# Altium PCB pqm_v2.PcbDoc (part 2 of 3)
Units mm, origin at the board's own origin, x right, y up, seen from the top; angles counter-clockwise.
Board outline 137 x 84 mm, 2 copper layers (Top Layer, Bottom Layer); 276 components, 232 nets, 965 pads, 175 vias.
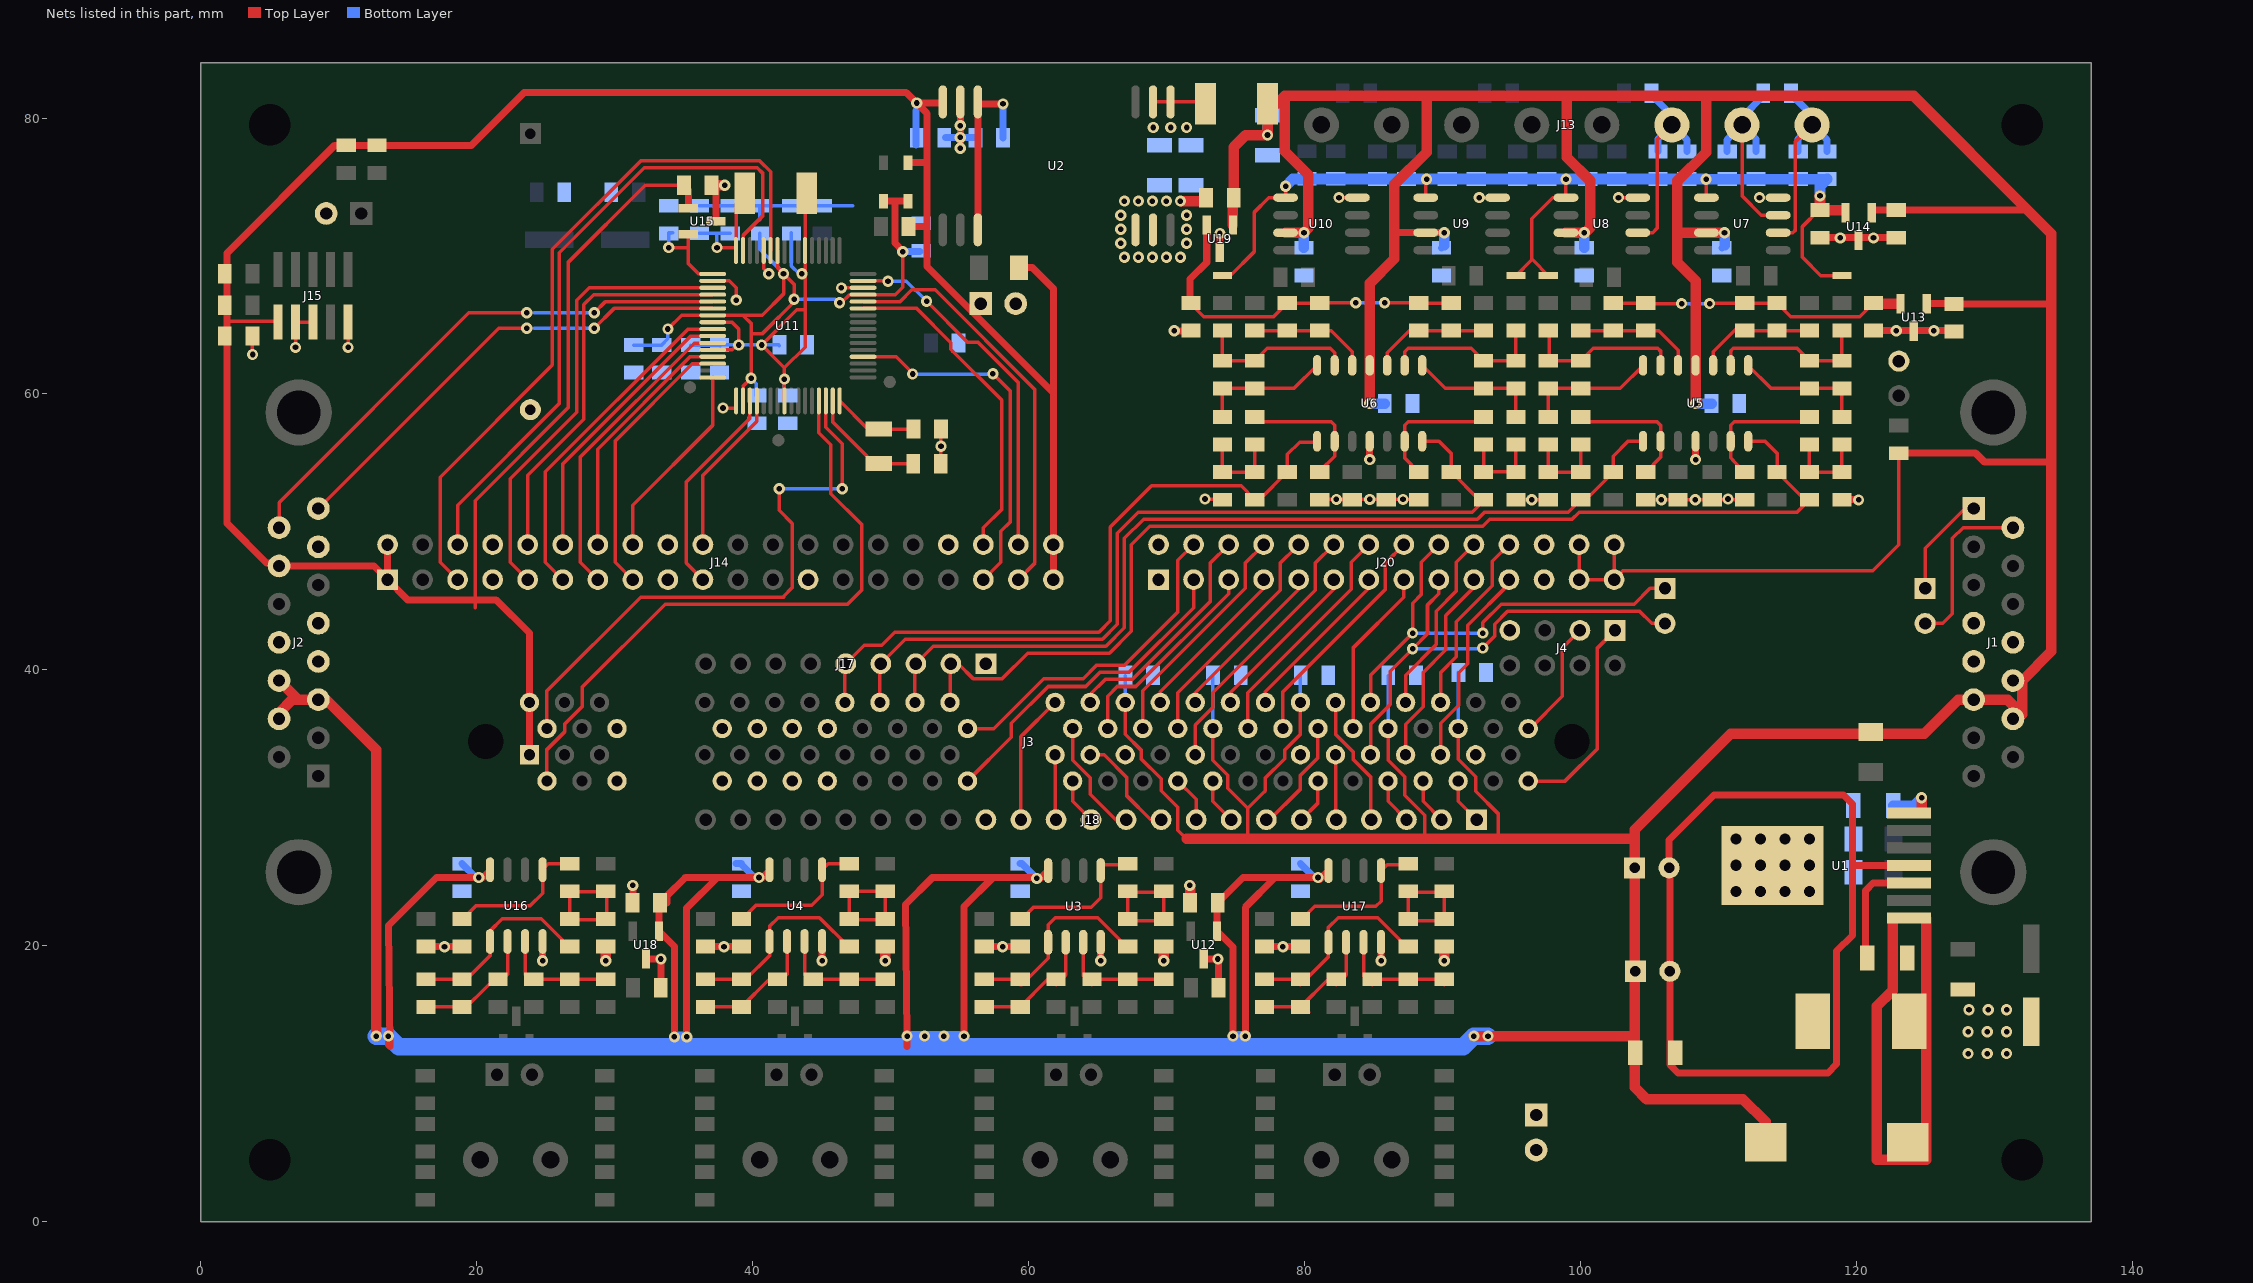
[diagram p2: the nets of this part, all layers, seen from the top]

## Via types
v1: diameter 0.813, hole 0.406, Top Layer to Bottom Layer, tented both sides, 163 vias
v2: diameter 1.397, hole 0.813, Top Layer to Bottom Layer, 12 vias

## Nets (pads, with @x,y where several pads share a name; then routed paths per layer and width w, separated by ;. In a path a pad name is that pad's centre, name@x,y a point inside that pad or via, vN(x,y) a via of type N, cw(c..) or ccw(c..) an arc to the next point about the centre after c; other vN are vias at no path point)
3.3V_ISO: C14.1 C66.1 C87.1 D2.2 J2.14 J3.1 J3.51 J14.1 J14.2 J14.39 J14.40 J15.1 J23.1 R60.2 R83.2 R84.2 R89.2 R90.2 R109.2 U2.14 U15.1 | length 211.5
  Top Layer w0.254: 1.905,65.341 1.967,65.28 5.523,65.28 J15.1@5.588,65.215 ; 19.875,44.514 19.875,45.085 19.875,52.261 26.607,58.991 26.607,69.532 32.195,75.121 C87.1@35.005,75.121
  Top Layer w0.508: J14.2@13.525,49.085 J14.1@13.525,46.545 ; J3.1@23.813,34.102 J3.51@23.813,37.648 23.813,42.672 21.399,45.085 19.875,45.085 14.986,45.085 J14.1@13.525,46.545 ; C87.1@35.005,75.121 35.339,74.787 U15.1@35.339,73.467 ; D2.2@51.244,76.775 52.622,76.775 ; R109.2@51.292,72.136 52.562,72.136 ; U2.14@53.768,81.09 v1(51.88,81.09) ; R60.2@59.299,69.151 60.262,69.151 61.785,67.628 61.785,60.071 ; J14.39@61.785,46.545 J14.40@61.785,49.085 61.785,60.071 ; J14.1@13.525,46.545 12.531,47.54 J2.14@5.667,47.54 5.165,47.54 4.953,47.752 4.763,47.752 1.905,50.609 1.905,65.341 1.905,70.231 9.7,78.026 R84.2@10.541,78.026 R83.2@12.763,78.026 19.606,78.026 23.431,81.852 51.117,81.852 v1(51.88,81.09) ; v1(51.88,81.09) 52.625,80.344 52.625,69.231 61.785,60.071
  Bottom Layer w0.508: C14.1@51.833,78.034 51.833,80.559
+5V: C5.1 C6.1 C7.1 C13.1 C21.1 C25.1 C26.1 C35.1 C44.1 C49.1 C50.1 C51.1 C52.1 C53.1 C69.1 C70.1 C71.1 C72.1 C75.1 C76.1 C89.1 C91.1 C92.1 C93.1 J1.6 J1.13 J1.14 J2.3 J2.10 J2.11 J3.77 J3.82 J3.87 J3.92 J3.96 J20.25 J20.26 J20.27 J20.28 J24.1 L1.2 L2.1 R1.1 R102.2 U3.8 U4.8 U5.4 U6.4 U7.7 U8.7 U9.7 U10.7 U12.1 U13.1 U14.1 U16.8 U17.8 U18.1 U19.1 | length 678.4
  Top Layer w0.254: J3.77@66.993,37.648 66.993,35.341 68.135,34.198 68.135,33.568 69.596,32.107 69.596,31.242 70.802,30.035 70.802,28.384 71.438,27.749 ; J3.82@73.343,35.748 73.343,33.441 74.422,32.361 74.422,31.432 75.882,29.972 ; 75.882,27.749 75.882,29.972 ; 77.089,31.178 77.089,31.203 ; J3.87@79.693,37.648 79.693,35.341 78.549,34.198 78.549,33.568 77.153,32.171 77.153,31.242 75.882,29.972 ; 79.756,27.877 79.883,27.749 ; J3.92@86.043,35.748 86.043,33.464 87.249,32.258 87.249,30.924 88.709,29.464 88.709,27.813 88.773,27.749 ; 87.249,27.877 87.376,27.749 ; J3.96@91.123,35.748 91.123,33.528 92.392,32.258 92.392,31.213 94.043,29.562 94.043,27.749 ; J20.26@99.885,49.085 J20.25@99.885,46.545 J20.27@102.425,46.545 ; J20.28@102.425,49.085 J20.27@102.425,46.545 ; R102.2@123.063,55.705 123.063,49.086 121.158,47.18 103.06,47.18 J20.27@102.425,46.545
  Top Layer w0.508: v1(13.589,13.462) 13.589,12.827 13.716,12.7 13.589,21.463 17.081,24.956 v1(20.13,24.956) 20.451,24.956 U16.8@20.955,25.46 ; C89.1@33.271,23.114 33.208,23.051 U18.1@33.208,21.066 34.319,19.955 v1(34.319,13.399) ; C89.1@33.766,23.114 33.766,23.606 35.115,24.956 37.43,24.956 35.208,22.734 v1(35.208,13.399) ; 34.932,24.775 35.128,24.971 40.739,24.971 U4.8@41.211,25.444 ; 51.181,12.7 51.172,13.462 51.054,22.987 53.005,24.938 57.387,24.938 ; v1(55.308,13.462) 55.308,22.86 57.387,24.938 ; U3.8@61.404,25.46 60.837,24.892 v1(60.579,24.892) 60.533,24.938 57.387,24.938 ; U12.1@73.628,20.925 C21.1@73.628,22.923 ; U12.1@73.642,21.066 74.803,19.905 v1@74.803,13.652 ; C21.1@73.692,23.114 75.533,24.956 77.851,24.956 ; v1(75.692,13.462) 75.692,22.796 77.851,24.956 ; v1(80.962,24.956) 77.851,24.956 ; v1@81.091,24.827 U17.8@81.724,25.46 ; 86.55,71.691 U9.7@88.777,71.691 v1(90.106,71.691) ; v1(100.266,71.691) v1@100.33,71.691 ; U14.1@121.092,73.336 C76.1@122.863,73.336 ; C76.1@122.873,73.326 132.414,73.326 ; R102.2@123.397,55.705 128.635,55.705 129.286,55.054 134.112,55.054 ; U13.1@125.09,66.548 127.063,66.548 C75.1@127.064,66.532 134.001,66.532
  Top Layer w0.762: J2.10@5.667,36.46 5.667,36.909 6.603,37.845 J2.3@8.507,37.845 9.082,37.845 12.7,34.227 v1(12.7,13.462) ; J2.11@5.667,39.23 7.052,37.845 ; 71.438,27.749 75.882,27.749 79.883,27.749 87.376,27.749 88.773,27.749 94.043,27.749 103.779,27.749 103.906,27.877 ; U19.1@74.801,72.247 C93.1@74.801,74.245 ; C93.1@74.85,74.295 74.85,77.898 75.72,78.768 v1(77.307,78.768) L2.1@77.307,81.026 77.978,81.026 78.549,81.597 ; U10.7@78.617,71.691 v1(79.947,71.691) 80.264,72.009 80.264,75.882 78.549,77.597 78.549,81.597 ; v1(84.709,59.309) U6.4@84.709,62.072 84.709,68.009 86.487,69.787 86.487,75.184 88.837,77.534 88.837,81.597 ; v1(92.266,13.462) 103.779,13.462 103.906,13.335 ; U8.7@98.937,71.691 v1(100.266,71.691) ; v1@100.33,71.691 100.711,72.072 100.711,75.438 98.996,77.153 98.996,81.597 ; v1(108.331,59.309) U5.4@108.331,62.072 108.331,68.199 106.998,69.532 106.998,71.691 ; v1(110.426,71.691) U7.7@109.114,71.691 106.998,71.691 ; L1.2@113.405,5.779 113.405,7.245 111.76,8.89 104.775,8.89 103.906,9.759 103.906,13.335 ; 78.549,81.597 88.837,81.597 ; 88.837,81.597 98.996,81.597 ; 98.996,81.597 109.093,81.597 ; 103.906,13.335 C6.1@103.906,25.654 103.906,27.877 ; 103.906,27.877 103.906,28.404 110.871,35.369 124.894,35.369 127.37,37.846 128.27,37.846 128.269,37.845 130.938,37.845 132.001,36.782 132.001,39.23 134.112,41.341 134.112,55.054 134.112,71.628 132.414,73.326 124.142,81.597 109.093,81.597 ; 106.998,71.691 106.998,75.438 109.093,77.534 109.093,81.597
  Bottom Layer w0.254: J3.77@66.993,37.648 C49.1@66.993,39.577 ; J3.82@73.343,35.748 C50.1@73.343,39.513 ; J3.87@79.693,37.648 C51.1@79.693,39.64 ; J3.92@86.043,35.748 C52.1@86.043,39.577 ; J3.96@91.123,35.748 C53.1@91.123,39.831
  Bottom Layer w0.508: C25.1@18.923,25.955 19.923,24.956 v1(20.13,24.956) ; C91.1@38.782,25.955 C91.1@39.179,25.955 ; C91.1@39.179,25.892 40.116,24.956 v1(40.45,24.956) ; C13.1@59.372,25.955 59.516,25.955 v1(60.579,24.892) ; C92.1@79.692,25.955 80.692,24.956 v1(80.962,24.956) ; C44.1@89.916,70.596 C44.1@90.106,70.787 ; v1(90.106,71.691) v1@90.22,71.691 ; v1(100.266,71.691) v1@100.38,71.691 ; C70.1@110.236,70.596 C70.1@110.426,70.787
  Bottom Layer w0.762: v1(34.319,13.399) v1(35.208,13.399) ; v1(51.181,13.462) v1(52.451,13.462) v1(53.848,13.462) v1(55.308,13.462) ; v1(74.803,13.462) v1(75.692,13.462) ; v1(77.307,78.768) C26.1@77.307,80.218 ; C35.1@79.946,70.596 v1(79.947,71.691) ; v1(84.709,59.309) C72.1@85.805,59.309 ; C44.1@90.106,70.787 v1(90.106,71.691) ; C69.1@100.266,70.596 v1(100.266,71.691) ; v1(108.331,59.309) C71.1@109.49,59.309 ; C70.1@110.426,70.787 v1(110.426,71.691)
  Bottom Layer w1.27: v1(12.7,13.462) v1(13.589,13.462) 14.351,12.7 74.231,12.7 ; 74.803,12.7 74.231,12.7 ; v1(93.281,13.462) v1(92.266,13.462) 91.504,12.7 74.231,12.7
AD0: J14.11 U11.9 | length 24.8
  Top Layer w0.254: J14.11@26.226,46.545 24.956,47.816 24.956,54.356 35.299,64.7 U11.9@37.092,64.7
AD1: J14.12 U11.10 | length 20.5
  Top Layer w0.254: J14.12@26.226,49.085 26.226,54.927 35.48,64.182 U11.10@37.085,64.182
AD2: J14.14 U11.13 | length 18
  Top Layer w0.254: J14.14@28.765,49.085 28.765,56.007 35.441,62.682 37.074,62.682 U11.13@37.092,62.7
AD3: J14.16 U11.16 | length 14.5
  Top Layer w0.254: J14.16@31.305,49.085 31.305,51.943 37.08,57.718 37.08,61.189 U11.16@37.092,61.2
AD4: J14.9 U11.3 | length 33
  Top Layer w0.254: J14.9@23.685,46.545 22.415,47.816 22.415,53.848 27.241,58.674 27.241,66.802 28.139,67.7 U11.3@37.092,67.7
AD5: J14.10 U11.4 | length 28.7
  Top Layer w0.254: J14.10@23.685,49.085 23.685,54.102 27.749,58.166 27.749,66.484 28.464,67.199 U11.4@37.092,67.199
AD8: J14.13 U11.11 | length 22.4
  Top Layer w0.254: J14.13@28.765,46.545 27.495,47.816 27.495,55.435 35.742,63.682 37.074,63.682 U11.11@37.092,63.7
AD9: J14.15 U11.14 | length 20
  Top Layer w0.254: J14.15@31.305,46.545 30.035,47.816 30.035,56.595 35.623,62.182 37.074,62.182 U11.14@37.092,62.2
ADVREF: C88.1 U11.1 U15.2 | length 7.4
  Top Layer w0.254: v1(33.909,70.612) 35.275,70.612 35.339,70.675 ; U15.2@35.339,71.481 35.339,70.675 ; U11.1@37.092,68.7 36.069,68.7 35.339,69.43 35.339,70.675
  Bottom Layer w0.254: v1(33.909,70.612) C88.1@33.91,71.637 ; C88.1@33.91,71.637 34.205,71.67 C88.1@34.078,71.67 ; C88.1@33.91,71.637 34.045,71.637 C88.1@34.078,71.67 ; C88.1@33.91,71.637 33.926,71.653 33.909,71.67 C88.1@34.078,71.67
AGND: C2.2 C3.2 C4.2 C5.2 C6.2 C7.2 C11.1 C13.2 C18.1 C21.2 C23.1 C25.2 C26.2 C30.1 C31.1 C32.2 C33.2 C35.2 C39.1 C43.1 C44.2 C48.1 C49.2 C50.2 C51.2 C52.2 C53.2 C69.2 C70.2 C71.2 C72.2 C73.2 C75.2 C76.2 C77.2 C78.2 C89.2 C90.2 C91.2 C92.2 C93.2 C94.2 D1.2 D8.2 J1.4 J1.5 J1.12 J2.4 J2.5 J2.12 J3.8 J3.10 J3.12 J3.14 J3.27 J3.37 J3.47 J3.58 J3.60 J3.62 J3.64 J4.7 J17.1 J18.15 J20.1 J20.2 J20.23 J20.24 J24.2 R2.1 R3.2 R4.2 R16.1 R30.2 R31.2 R44.2 R45.2 R58.1 R59.2 R67.1 R68.2 R80.1 R81.2 R93.1 R94.2 R106.1 R107.2 U1.4 U1.8 U2.26 U2.27 U3.4 U4.4 U5.11 U6.11 U7.4 U8.4 U9.4 U10.4 U12.3 U13.3 U14.3 U16.4 U17.4 U18.3 U19.3 | length 138.6
  Top Layer w0.254: v1(72.771,52.387) R106.1@73.994,52.387 ; C48.1@81.09,52.356 v1(82.296,52.356) v1(84.709,52.356) v1(87.122,52.356) C43.1@88.265,52.356 ; v1(82.486,74.231) U10.4@83.816,74.231 ; v1(92.647,74.231) U9.4@93.976,74.231 ; R93.1@95.313,52.34 v1(96.456,52.34) R80.1@97.663,52.34 ; v1(102.743,74.231) U8.4@104.136,74.231 ; C39.1@104.711,52.34 v1(105.855,52.34) v1(108.299,52.34) C31.1@111.887,52.34 ; v1(112.966,74.231) U7.4@114.314,74.231
  Top Layer w0.508: R59.2@16.32,19.955 C30.1@18.923,19.955 ; v1(24.765,18.923) U16.4@24.765,20.324 ; v1(29.337,18.923) v1@29.337,19.05 ; C89.2@31.271,23.114 31.305,23.149 v1(31.305,24.384) ; U18.3@32.322,19.066 v1@33.322,19.066 ; C90.2@33.322,16.955 33.337,16.971 v1(33.337,19.05) ; R45.2@36.576,19.955 C23.1@39.179,19.955 ; v1@45.021,18.986 U4.4@45.021,20.244 ; R44.2@49.594,19.955 R44.2@49.61,19.939 ; R4.2@56.769,19.955 C11.1@59.372,19.955 ; v1(65.215,18.923) U3.4@65.215,20.26 ; v1(70.549,64.579) C94.2@71.692,64.579 ; U12.3@72.692,19.066 73.692,19.066 v1(73.708,19.05) 73.755,19.002 C73.2@73.755,16.955 ; U19.3@73.85,70.247 v1(73.85,71.628) ; R31.2@77.026,19.955 R31.2@77.089,19.955 C18.1@79.629,19.955 ; v1(84.709,55.245) U6.11@84.709,56.572 U6.11@84.709,56.575 ; v1(85.534,18.923) U17.4@85.534,20.26 ; C7.2@106.86,12.256 C7.2@106.47,12.646 ; v1(108.331,55.245) U5.11@108.331,56.559 ; C77.2@117.348,71.326 C76.2@122.873,71.326 ; R67.1@118.935,52.34 v1@120.126,52.34 ; C78.2@121.222,64.595 C75.2@127,64.595 ; U1.4@123.793,25.822 119.697,25.822 ; C7.2@106.47,12.646 C5.2@106.47,18.161 106.47,25.59 C6.2@106.406,25.654 106.406,27.666 109.664,30.924 119.062,30.924 119.697,30.29 119.697,25.822 ; C7.2@106.47,12.646 106.47,11.386 107.061,10.795 117.919,10.795 118.554,11.43 118.554,19.621 119.697,20.764 119.697,25.822
  Top Layer w0.762: v1(29.337,18.923) R58.1@29.337,19.828 ; v1@49.593,18.986 R44.2@49.594,19.955 ; v1@69.787,19.05 R16.1@69.787,19.828 ; v1@71.057,73.977 C93.2@72.533,73.977 ; v1(71.676,24.384) 71.692,24.368 C21.2@71.692,23.114 ; v1@90.106,18.986 R30.2@90.107,19.955
  other v1: 128.079,12.192 129.476,12.192 130.874,12.192 128.079,13.779 129.476,13.779 130.874,13.779 128.143,15.367 129.54,15.367 130.874,15.367 45.021,18.923 49.593,18.923 69.787,18.923 90.106,18.923 17.653,19.939 37.91,19.939 58.102,19.939 78.422,19.939 120.142,52.324 110.68,52.387 122.872,64.579 125.603,64.579 66.929,69.913 67.945,69.913 68.961,69.913 69.977,69.913 70.993,69.913 66.675,70.929 71.438,70.929 118.808,71.31 121.221,71.31 66.675,71.945 71.438,71.945 66.675,72.962 71.438,72.962 66.929,73.977 67.945,73.977 68.961,73.977 69.977,73.977 70.993,73.977
  other v2: 111.252,23.939 113.03,23.939 114.808,23.939 116.586,23.939 111.252,25.845 113.03,25.845 114.808,25.845 116.586,25.845 111.252,27.749 113.03,27.749 114.808,27.749 116.586,27.749
ARM_UART_RX: J3.52 U11.30 | length 42.3
  Top Layer w0.254: J3.52@25.083,35.748 25.083,38.481 31.877,45.276 42.164,45.276 ; v1(41.91,53.137) 41.91,51.562 42.862,50.609 42.862,45.974 42.164,45.276 ; 42.227,45.276 42.164,45.276 ; U11.30@45.291,59.499 45.291,57.579 46.482,56.388 v1@46.482,53.483
  Bottom Layer w0.254: v1(41.91,53.137) v1(46.482,53.137)
ARM_UART_RX_ISO: J2.15 U11.5 | length 39
  Top Layer w0.254: J2.15@5.032,50.31 5.667,50.945 5.667,52.133 19.421,65.888 v1(23.622,65.888) ; v1(28.511,65.888) 29.323,66.7 U11.5@37.092,66.7
  Bottom Layer w0.254: 24.146,65.888 v1(28.511,65.888)
ARM_UART_TX: J3.2 U11.29 | length 46
  Top Layer w0.254: J3.2@25.083,31.948 25.083,34.235 26.352,35.505 26.352,36.068 27.622,37.338 27.622,38.735 33.655,44.767 46.863,44.767 47.879,45.783 47.879,50.546 45.657,52.768 45.657,56.325 44.792,57.189 U11.29@44.792,59.499
ARM_UART_TX_ISO: J2.8 U11.6 | length 34.7
  Top Layer w0.254: J2.8@7.872,51.695 J2.8@8.507,51.695 21.582,64.77 v1(23.622,64.77) ; v1(28.511,64.77) 29.941,66.2 U11.6@37.092,66.2
  Bottom Layer w0.254: 24.146,64.77 v1(28.511,64.77)
DAC0: J14.5 U11.59 | length 52.3
  Top Layer w0.254: J14.5@18.605,46.545 17.335,47.816 17.335,53.975 25.463,62.103 25.463,70.485 31.866,76.887 40.516,76.887 41.291,76.112 U11.59@41.291,70.4
DAC1: J14.6 U11.63 | length 47.8
  Top Layer w0.254: J14.6@18.605,49.085 18.605,51.943 25.971,59.309 25.971,70.231 32.145,76.405 40.316,76.405 40.703,76.017 40.703,72.898 39.292,71.486 U11.63@39.292,70.4
DSP_GPIO00: J3.23 J18.13 | length 4.7
  Top Layer w0.254: J3.23@61.913,33.848 61.913,29.21 J18.13@61.976,29.146
DSP_GPIO01: J3.73 J18.14 | length 9.5
  Top Layer w0.254: J18.14@59.436,29.146 59.436,35.171 J3.73@61.913,37.648
DSP_GPIO02: J3.24 J18.12 | length 3.4
  Top Layer w0.254: J3.24@63.183,31.948 63.183,30.48 J18.12@64.516,29.146
DSP_GPIO03: J3.74 J18.11 | length 8.7
  Top Layer w0.254: J3.74@63.183,35.748 63.183,33.464 64.453,32.194 64.453,30.988 66.294,29.146 J18.11@67.056,29.146
DSP_GPIO04: J3.25 J18.10 | length 7.9
  Top Layer w0.254: J3.25@64.453,33.848 65.466,33.848 67.12,32.194 67.12,30.861 68.834,29.146 J18.10@69.596,29.146
DSP_GPIO05: J3.75 J20.6 | length 16.7
  Top Layer w0.254: J3.75@64.453,37.648 64.453,38.227 65.532,39.306 67.501,39.306 73.152,44.958 73.152,47.752 J20.6@74.486,49.085
DSP_GPIO07: J3.76 J20.5 | length 15.2
  Top Layer w0.254: J3.76@65.723,35.748 65.723,38.1 66.421,38.798 67.754,38.798 74.486,45.529 J20.5@74.486,46.545
DSP_GPIO09: J3.78 J20.8 | length 17
  Top Layer w0.254: J3.78@68.263,35.748 68.263,38.481 75.692,45.91 75.692,47.752 J20.8@77.025,49.085
DSP_GPIO11: J3.79 J20.7 | length 12
  Top Layer w0.254: J3.79@69.533,37.648 69.533,38.418 77.025,45.91 J20.7@77.025,46.545
DSP_GPIO13: J3.83 J20.11 | length 12
  Top Layer w0.254: J3.83@74.613,37.648 74.613,38.354 82.105,45.847 J20.11@82.105,46.545
DSP_GPIO14: J3.84 J20.14 | length 17
  Top Layer w0.254: J3.84@75.883,35.748 75.883,38.354 83.376,45.847 83.376,47.816 J20.14@84.645,49.085
DSP_GPIO21: J3.90 J20.15 | length 12.3
  Top Layer w0.254: J3.90@83.503,35.748 83.503,41.593 87.185,45.276 J20.15@87.185,46.545
DSP_GPIO25: J3.85 J20.13 | length 12
  Top Layer w0.254: J3.85@77.153,37.648 77.153,38.418 84.645,45.91 J20.13@84.645,46.545
DSP_GPIO27: J3.86 J20.16 | length 17
  Top Layer w0.254: J3.86@78.423,35.748 78.423,38.418 85.852,45.847 85.852,47.752 J20.16@87.185,49.085
DSP_GPIO30: J3.44 J18.2 | length 3.4
  Top Layer w0.254: J3.44@88.583,31.948 88.583,30.48 J18.2@89.916,29.146
DSP_GPIO34: J3.46 J18.1 | length 3.4
  Top Layer w0.254: J3.46@91.123,31.948 91.123,30.48 J18.1@92.456,29.146
DSP_GPIO48: J3.30 J18.9 | length 3.4
  Top Layer w0.254: J3.30@70.803,31.948 72.136,30.615 J18.9@72.136,29.146
DSP_GPIO49: J3.80 J20.10 | length 17.1
  Top Layer w0.254: J3.80@70.803,35.748 70.803,38.354 78.232,45.783 78.232,47.752 79.343,48.863 J20.10@79.788,48.863
DSP_GPIO84: J3.31 J20.12 | length 19.4
  Top Layer w0.254: J3.31@72.073,33.848 72.073,36.005 73.343,37.274 73.343,38.354 80.772,45.783 80.772,47.752 J20.12@82.105,49.085
DSP_GPIO85: J3.81 J20.9 | length 12
  Top Layer w0.254: J3.81@72.073,37.648 72.073,38.354 79.566,45.847 J20.9@79.566,46.545
DSP_GPIO86: J3.32 J18.8 | length 3.4
  Top Layer w0.254: J3.32@73.343,31.948 73.343,30.48 J18.8@74.676,29.146
DSP_GPIO87: J3.42 J18.3 | length 3.4
  Top Layer w0.254: J3.42@86.043,31.948 86.043,30.48 J18.3@87.376,29.146
DSP_I2C_SCLA: J3.95 J20.22 | length 13.5
  Top Layer w0.254: J3.95@89.853,37.648 89.853,39.815 90.995,40.957 90.995,43.497 93.599,46.101 93.599,47.879 J20.22@94.805,49.085
DSP_I2C_SDAA: J3.45 J20.21 | length 14.7
  Top Layer w0.254: J3.45@89.853,33.848 89.853,36.132 91.161,37.44 91.161,39.789 91.821,40.45 91.821,43.243 94.805,46.228 J20.21@94.805,46.545
DSP_SCIA_RX: J3.43 J20.19 | length 14.7
  Top Layer w0.254: J3.43@87.313,33.848 87.313,36.068 88.582,37.338 88.582,39.814 90.233,41.465 90.233,43.942 92.266,45.974 J20.19@92.266,46.545
DSP_SCIA_TX: J3.93 J20.20 | length 13.5
  Top Layer w0.254: J3.93@87.313,37.648 87.313,39.624 89.535,41.846 89.535,44.259 90.995,45.72 90.995,47.816 J20.20@92.266,49.085
DSP_SCIB_RX: J3.91 J20.18 J22.1 | length 33.2
  Top Layer w0.254: J3.91@84.773,37.648 84.773,39.624 v1(87.82,42.672) 87.82,44.831 88.456,45.466 88.456,47.816 J20.18@89.725,49.085 ; v1(92.9,42.672) 92.9,43.434 94.234,44.767 103.886,44.767 105.029,45.91 J22.1@105.918,45.91
  Bottom Layer w0.254: v1(87.82,42.672) v1@92.773,42.672
DSP_SCIB_TX: J3.41 J20.17 J22.2 | length 35
  Top Layer w0.254: J3.41@84.773,33.848 84.773,36.068 86.201,37.497 86.201,39.91 v1(87.82,41.529) 88.9,42.608 88.9,44.704 89.725,45.529 J20.17@89.725,46.545 ; v1(92.9,41.593) 93.763,42.455 93.763,43.32 94.702,44.259 104.267,44.259 105.156,43.37 J22.2@106.108,43.37
  Bottom Layer w0.254: v1(87.82,41.529) v1@92.837,41.529
DSP_SCIC_RX: J3.22 J20.3 | length 24.2
  Top Layer w0.254: J3.22@55.562,31.948 58.737,35.123 58.737,36.131 61.404,38.798 64.135,38.798 65.151,39.814 67.246,39.814 71.945,44.514 J20.3@71.945,46.545
DSP_SCIC_TX: J3.72 J20.4 | length 24.4
  Top Layer w0.254: J3.72@55.563,35.748 57.465,35.748 61.087,39.37 63.944,39.37 64.897,40.322 66.929,40.322 70.802,44.196 70.802,47.942 J20.4@71.945,49.085 J20.4@71.945,48.757
DSP_SPI_CLK: J3.39 J18.5 | length 4.7
  Top Layer w0.254: J18.5@82.233,29.146 J3.39@82.233,33.848
DSP_SPI_SIMO: J3.38 J18.6 | length 3.3
  Top Layer w0.254: J18.6@79.756,29.146 80.963,30.353 J3.38@80.963,31.948
DSP_SPI_SOMI: J3.88 J18.7 | length 8.2
  Top Layer w0.254: J18.7@77.343,29.019 79.692,31.369 79.692,32.355 80.963,33.625 J3.88@80.963,35.748
DSP_SPI_STE: J3.89 J18.4 | length 10.3
  Top Layer w0.254: J3.89@82.233,38.1 J3.89@82.233,37.648 82.233,35.341 83.502,34.071 83.502,33.528 84.772,32.258 84.772,29.337 J18.4@85.09,29.019
DSP_UART_RX_SUPPLY: J1.1 J21.1 | length 9.2
  Top Layer w0.254: J21.1@125.222,45.91 124.968,46.164 124.968,48.831 127.831,51.695 J1.1@129.161,51.695
  Bottom Layer w0.254: J1.1@128.584,51.117 J1.1@129.161,51.695
DSP_UART_TX_SUPPLY: J1.9 J21.2 | length 12.7
  Top Layer w0.254: J21.2@125.476,43.37 126.238,43.37 126.936,44.069 126.936,49.53 127.716,50.31 J1.9@132.001,50.31
  Bottom Layer w0.254: J1.9@131.955,50.355 J1.9@132.001,50.31
EMU0: J3.100 J4.3 | length 9.2
  Top Layer w0.254: J3.100@96.203,36.195 J3.100@96.203,35.748 96.327,35.748 98.679,38.1 98.679,41.593 J4.3@99.949,42.862
EMU1: J3.50 J4.1 | length 15.4
  Top Layer w0.254: J3.50@95.949,31.694 J3.50@96.203,31.948 98.869,31.948 101.219,34.298 101.219,41.593 J4.1@102.489,42.862
GND_ISO: C14.2 C34.2 C54.2 C55.2 C56.2 C57.2 C58.2 C59.2 C60.2 C61.1 C62.1 C63.1 C64.1 C65.1 C66.2 C67.2 C68.2 C87.2 C88.2 C95.2 C96.2 J2.7 J3.6 J3.56 J14.7 J14.8 J14.17 J14.18 J14.25 J14.34 J15.3 J15.5 J15.9 J16.2 J19.2 J23.2 R96.1 R97.1 U2.13 U11.2 U11.17 U11.46 U11.60 U15.3 | length 37.6
  Top Layer w0.254: v1@3.731,62.881 C66.2@3.731,64.199 ; v1(6.858,63.373) J15.3@6.858,65.215 J15.5@8.128,65.215 ; v1(10.668,63.373) J15.9@10.668,65.215 ; U11.2@37.092,68.2 38.29,68.2 38.798,67.691 v1(38.798,66.802) ; v1(37.842,58.981) U11.17@38.799,58.981 ; U11.60@40.792,70.4 40.792,69.063 v1(41.148,68.707) ; v1@46.228,67.882 v1(46.42,67.689) ; v1@46.467,67.7 U11.46@47.992,67.7 ; C68.2@53.621,54.94 C67.2@53.621,57.48
  Top Layer w0.508: C87.2@37.005,75.121 37.339,74.787 U15.3@37.339,72.431 ; v1@55.055,77.717 U2.13@55.055,81.083
  Top Layer w0.762: C87.2@37.005,75.121 v1(37.973,75.12)
  Bottom Layer w0.254: C65.1@36.132,73.637 C60.2@38.355,73.637 C58.2@40.577,73.637 ; 40.514,72.637 40.514,73.574 C58.2@40.577,73.637 ; 47.245,73.637 R96.1@45.022,73.637 C64.1@42.799,73.637 C58.2@40.577,73.637
  Bottom Layer w0.508: C14.2@53.975,78.597 v1(55.038,78.597) C34.2@56.102,78.597
  other v1: 53.637,56.21 3.746,62.865 55.038,77.804 55.038,79.455
GPIO0: J14.19 U11.19 | length 15.4
  Top Layer w0.254: J14.19@36.386,46.545 35.179,47.752 35.179,53.625 39.774,58.22 39.774,59.482 U11.19@39.792,59.499
GPIO1: J14.20 U11.20 | length 12
  Top Layer w0.254: J14.20@36.386,49.085 36.386,54.102 40.292,58.008 U11.20@40.292,59.499
GPIO2: J14.37 U11.44 | length 30.1
  Top Layer w0.254: U11.44@47.992,66.7 50.674,66.7 51.515,67.541 53.23,67.541 60.452,60.319 60.452,47.752 J14.37@59.245,46.545
GPIO3: J14.38 U11.47 | length 26.1
  Top Layer w0.254: U11.47@47.992,68.2 v1@49.801,68.2 ; v1@52.656,66.716 v1(52.595,66.716) 55.556,63.754 56.325,63.754 59.245,60.833 J14.38@59.245,49.085
  Bottom Layer w0.254: v1(49.801,68.176) 51.134,68.176 v1(52.595,66.716)
I2C_TCLK0: J14.35 U11.36 | length 26.2
  Top Layer w0.254: U11.36@47.992,62.7 50.388,62.7 51.579,61.509 v1(51.579,61.445) ; J14.35@56.706,46.545 57.975,47.816 57.975,50.038 58.674,50.736 58.674,60.198 v1(57.404,61.468)
  Bottom Layer w0.254: v1(51.579,61.445) 57.381,61.445 v1(57.404,61.468)
I2C_TWD0: J14.36 U11.43 | length 24.1
  Top Layer w0.254: U11.43@47.992,66.2 51.87,66.2 54.356,63.714 54.356,63.246 58.039,59.563 58.039,51.625 56.706,50.292 J14.36@56.706,49.085
IL1: C19.2 J3.71 J17.2 R69.1 U5.14 | length 81.1
  Top Layer w0.254: J3.71@54.293,37.648 J17.2@54.293,39.903 ; J17.2@54.356,40.45 54.893,40.45 55.999,39.344 58.051,39.344 59.919,41.212 65.849,41.212 67.437,42.799 67.437,49.085 68.77,50.419 92.9,50.419 93.408,50.927 99.377,50.927 99.885,51.435 115.681,51.435 C19.2@116.586,52.34 116.236,52.34 R69.1@114.237,54.34 ; U5.14@112.141,56.559 113.367,56.559 114.236,55.69 R69.1@114.236,54.213
IL2: C37.2 J3.69 J17.3 R82.1 U5.8 | length 66.2
  Top Layer w0.254: J3.69@51.753,37.648 J17.3@51.753,39.903 ; J17.3@51.816,40.45 53.086,41.719 65.597,41.719 66.929,43.051 66.929,49.53 68.326,50.927 92.519,50.927 93.027,51.435 99.107,51.435 C37.2@100.013,52.34 100.362,52.34 R82.1@102.362,54.34 ; R82.1@102.362,54.213 102.362,55.499 103.422,56.559 U5.8@104.521,56.559
IL3: C41.2 J3.67 J17.4 R95.1 U6.14 | length 61.9
  Top Layer w0.254: J17.4@48.793,40.25 49.213,39.83 J3.67@49.213,37.648 ; J17.4@49.276,40.45 51.054,42.227 65.341,42.227 66.421,43.307 66.421,49.911 67.945,51.435 92.138,51.435 C41.2@92.964,52.261 ; U6.14@88.519,56.575 89.729,56.575 90.615,55.689 R95.1@90.615,54.34 ; R95.1@90.615,54.356 C41.2@92.614,52.356
IL4: C46.2 J3.65 J17.5 R108.1 U6.8 | length 49.3
  Top Layer w0.254: J3.65@46.673,37.648 46.673,40.386 J17.5@46.736,40.45 48.069,41.783 49.34,41.783 50.292,42.735 65.087,42.735 65.913,43.561 65.913,50.355 68.897,53.34 75.391,53.34 C46.2@76.391,52.34 76.724,52.34 R108.1@78.74,54.356 ; R108.1@78.74,54.229 78.74,55.626 79.629,56.515 U6.8@80.839,56.515
IL_1V5_A: C24.1 C38.1 C78.1 R66.2 R79.2 U13.2 | length 21.5
  Top Layer w0.254: R79.2@102.362,66.579 C38.1@104.711,66.579 ; C38.1@104.743,66.548 v1(107.315,66.548) ; v1(109.347,66.548) 109.378,66.579 114.236,66.579 115.22,65.596 120.222,65.596 C78.1@121.174,66.548
  Top Layer w0.762: C78.1@121.174,66.548 U13.2@122.999,66.548
  Bottom Layer w0.254: v1(107.315,66.548) v1@109.41,66.548
IL_1V5_B: C42.1 C47.1 C94.1 R92.2 R105.2 U19.2 | length 25.9
  Top Layer w0.254: C94.1@71.692,66.595 72.692,65.596 77.74,65.596 R105.2@78.74,66.596 ; R105.2@78.74,66.579 C47.1@81.09,66.579 ; C47.1@81.09,66.595 83.677,66.595 v1(83.693,66.611) ; v1(85.788,66.611) 88.249,66.611 C42.1@88.265,66.595 ; C42.1@88.265,66.579 R92.2@90.614,66.579
  Top Layer w0.508: C94.1@71.692,66.595 71.692,68.326 72.901,69.535 U19.2@72.901,72.247
  Bottom Layer w0.254: v1(83.693,66.611) v1(85.788,66.611)
IL_2V5_A: C77.1 C79.2 C80.1 C81.2 C82.1 C83.2 C84.1 C85.2 C86.1 pad.1 R14.1 R103.2 R111.1 R113.2 R115.1 R117.2 R119.1 R121.2 U7.5 U8.5 U9.5 U10.5 U14.2 | length 73.9
  Top Layer w0.254: pad.1@74.041,68.58 74.612,68.58 76.327,70.294 76.327,73.152 77.406,74.231 U10.5@78.617,74.231 v1@78.617,75.053 ; U9.5@88.777,74.231 88.777,75.505 v1(88.837,75.565) ; pad.1@95.313,68.58 96.456,69.723 ; pad.1@97.663,68.58 96.52,69.723 96.456,69.723 ; v1(98.937,75.565) U8.5@98.937,74.231 97.98,74.231 96.456,72.707 96.456,69.723 ; U7.5@109.089,74.231 v1(109.089,75.565) ; U7.5@109.114,74.231 U7.5@109.114,74.446 ; C77.1@117.268,73.326 116.078,72.136 116.078,69.913 117.411,68.58 pad.1@118.745,68.58
  Top Layer w0.762: v1(117.348,74.358) 117.348,73.406 117.268,73.326 C77.1@117.348,73.326 U14.2@119.062,73.326
  Bottom Layer w0.762: v1(78.613,75.057) 79.137,75.581 C85.2@85.28,75.581 R119.1@87.376,75.581 C84.1@90.337,75.581 R117.2@92.432,75.581 C83.2@95.44,75.581 R115.1@97.536,75.581 C82.1@100.521,75.581 R113.2@102.616,75.581 C81.2@105.6,75.581 109.074,75.581 v1(109.089,75.565) 117.84,75.565 R14.1@117.856,75.581 117.348,75.073 v1(117.348,74.358)
NetC1_1: C1.1 U1.3 | length 7.6
  Top Layer w0.508: C1.1@120.661,19.812 120.661,24.014 121.199,24.552 U1.3@123.793,24.552
NetC1_2: C1.2 D1.1 L1.1 U1.1 | length 38.8
  Top Layer w0.762: U1.1@122.618,21.844 122.618,16.764 121.475,15.621 121.475,4.508 125.031,4.508 125.031,14.541 U1.1@125.031,21.971
NetC4_1: C4.1 U1.7 | length 3.4
  Top Layer w0.762: U1.7@124.714,29.654 v1(124.714,30.734)
  Bottom Layer w0.762: C4.1@122.671,30.163 124.143,30.163 v1(124.714,30.734)
NetC8_1: C8.1 R8.2 R120.1 U3.2 | length 10
  Top Layer w0.254: R8.2@56.769,15.573 C8.1@59.372,15.574 61.372,17.573 R120.1@61.976,17.573 ; C8.1@59.373,15.192 C8.1@59.976,15.192 ; R120.1@61.976,17.192 62.674,17.891 U3.2@62.674,20.26
NetC8_2: C8.2 R8.1 R9.2 U3.1 | length 14.8
  Top Layer w0.254: R8.1@56.769,17.573 C8.2@59.372,17.574 ; C8.2@59.373,17.192 59.483,17.192 61.404,19.113 U3.1@61.404,20.26 61.404,21.526 61.912,22.034 65.003,22.034 67.183,19.855 R9.2@67.183,19.828
NetC9_1: C9.1 R9.1 R10.2 R16.2 | length 9.3
  Top Layer w0.254: R9.1@67.183,21.828 69.786,21.828 R16.2@69.786,21.955 69.786,23.892 67.183,23.892 R9.1@67.183,21.955 R9.1@67.183,21.828
NetC10_2: C10.2 R15.1 R122.1 U3.3 | length 8.5
  Top Layer w0.254: U3.3@63.944,20.26 63.944,17.828 R122.1@64.58,17.192 ; R122.1@64.58,17.573 R15.1@67.183,17.573 C10.2@69.786,17.574
NetC11_2: C11.2 R10.1 U3.5 | length 10.5
  Top Layer w0.254: C11.2@59.372,21.828 60.341,22.796 64.516,22.796 65.215,23.495 U3.5@65.215,25.46 ; U3.5@65.151,25.892 R10.1@67.183,25.892
NetC12_1: C12.1 R32.1 R46.2 U5.2 | length 12.1
  Top Layer w0.254: U5.2@110.871,62.059 U5.2@110.871,62.072 110.871,63.119 111.061,63.309 115.681,63.309 C12.1@116.586,62.404 R46.2@118.935,62.405 R32.1@118.935,64.913
NetC12_2: C12.2 R46.1 R61.2 U5.1 | length 9.5
  Top Layer w0.254: U5.1@112.141,62.059 113.795,60.405 R46.1@118.935,60.405 R61.2@118.935,58.341
NetC15_1: C15.1 R21.1 R22.2 U17.2 | length 10.7
  Top Layer w0.254: R22.2@77.089,15.573 C15.1@79.692,15.574 81.661,17.542 82.296,17.542 R21.1@82.645,17.542 ; C15.1@79.693,15.192 C15.1@80.296,15.192 ; R21.1@82.296,17.573 82.296,17.192 R21.1@82.645,17.542 ; U17.2@82.995,20.26 82.995,17.891 R21.1@82.645,17.542
NetC15_2: C15.2 R22.1 R23.2 U17.1 | length 14.6
  Top Layer w0.254: R22.1@77.089,17.573 C15.2@79.692,17.574 ; C15.2@79.693,17.192 79.983,17.483 81.724,19.224 U17.1@81.724,20.26 81.724,21.336 82.423,22.034 85.297,22.034 R23.2@87.503,19.828
NetC16_1: C16.1 R23.1 R24.2 R30.1 | length 9.3
  Top Layer w0.254: R23.1@87.503,21.828 90.107,21.828 R30.1@90.107,21.955 90.107,23.892 87.503,23.892 R23.1@87.503,21.955 R23.1@87.503,21.828
NetC17_2: C17.2 R27.1 R29.1 U17.3 | length 8.5
  Top Layer w0.254: U17.3@84.264,20.26 84.264,17.828 R27.1@84.9,17.192 ; R27.1@84.9,17.573 C17.2@90.106,17.574
NetC18_2: C18.2 R24.1 U17.5 | length 10.8
  Top Layer w0.254: C18.2@79.692,21.828 80.724,22.86 85.153,22.86 85.534,23.241 U17.5@85.534,25.46 85.966,25.892 R24.1@87.503,25.892
NetC19_1: C19.1 R61.1 R62.2 R67.2 | length 6.6
  Top Layer w0.254: C19.1@116.586,54.213 R62.2@116.586,56.34 ; C19.1@116.586,54.34 R67.2@118.935,54.34 ; R67.2@118.936,54.213 R61.1@118.935,56.341
NetC20_1: C20.1 R35.1 R36.2 U4.2 | length 9.4
  Top Layer w0.254: R36.2@36.576,15.573 C20.1@39.179,15.574 41.179,17.573 R35.1@41.783,17.573 ; R35.1@41.783,17.256 42.481,17.954 U4.2@42.481,20.324
NetC20_2: C20.2 R36.1 R37.2 U4.1 | length 14.9
  Top Layer w0.254: R36.1@36.576,17.573 C20.2@39.497,17.573 ; C20.2@39.179,17.256 C20.2@39.497,17.573 ; R37.2@46.99,19.891 44.831,22.05 41.847,22.05 41.212,21.415 U4.1@41.212,20.324 41.212,19.288 C20.2@39.497,17.573
NetC22_2: C22.2 R41.1 R43.1 U4.3 | length 8.5
  Top Layer w0.254: U4.3@43.752,20.324 43.752,17.891 R41.1@44.387,17.256 ; R41.1@44.387,17.573 R43.1@46.99,17.573 C22.2@49.593,17.574
NetC23_2: C23.2 R38.1 U4.5 | length 10.6
  Top Layer w0.254: C23.2@39.179,21.892 40.227,22.939 44.26,22.939 45.021,23.701 U4.5@45.021,25.523 45.453,25.955 R38.1@46.99,25.955
NetC24_2: C24.2 R65.1 R66.1 U5.3 | length 8.8
  Top Layer w0.254: U5.3@109.601,62.059 U5.3@109.601,62.072 109.601,63.055 C24.2@111.459,64.913 ; C24.2@111.459,64.579 111.887,64.579 R65.1@116.586,64.579
NetC27_1: C27.1 R49.1 R50.2 U16.2 | length 9.4
  Top Layer w0.254: R50.2@16.32,15.573 C27.1@18.923,15.574 ; C27.1@18.923,15.256 20.923,17.256 21.527,17.256 22.225,17.954 U16.2@22.225,20.324
NetC27_2: C27.2 R50.1 R51.1 U16.1 | length 14.3
  Top Layer w0.254: R50.1@16.32,17.573 C27.2@18.923,17.574 ; C27.2@18.923,17.256 20.955,19.288 U16.1@20.955,20.324 20.955,21.082 21.844,21.971 24.654,21.971 R51.1@26.733,19.892
NetC28_1: C28.1 R51.2 R52.2 R58.2 | length 9.3
  Top Layer w0.254: C28.1@29.337,23.94 26.734,23.94 26.734,21.876 29.337,21.876 29.4,21.939 C28.1@29.4,23.876
NetC29_2: C29.2 R55.1 R57.1 U16.3 | length 8.5
  Top Layer w0.254: U16.3@23.495,20.324 23.495,17.891 R55.1@24.13,17.256 ; R55.1@24.13,17.573 R57.1@26.734,17.573 C29.2@29.337,17.574
NetC30_2: C30.2 R52.1 U16.5 | length 10.5
  Top Layer w0.254: C30.2@18.923,21.892 19.955,22.924 23.876,22.924 24.765,23.812 U16.5@24.765,25.523 25.181,25.939 R52.1@26.734,25.939
NetC31_2: C31.2 R62.1 U5.13 | length 9.8
  Top Layer w0.254: C31.2@111.887,54.34 111.061,55.165 111.061,55.181 110.871,55.372 U5.13@110.871,56.572 110.871,57.721 111.125,57.975 116.221,57.975 R62.1@116.586,58.34
NetC32_1: C32.1 C33.1 L2.2 U2.1 U2.2 | length 3.7
  Top Layer w0.254: U2.2@69.008,81.169 U2.1@70.278,81.169 L2.2@72.664,81.169
  other v1: 69.025,79.311 70.294,79.311 71.438,79.311
NetC34_1: C34.1 U2.12 U2.17 | length 13.4
  Top Layer w0.508: U2.17@56.308,71.771 U2.17@56.308,71.898 U2.12@56.308,81.042 ; U2.12@56.451,81.026 v1(58.134,81.026)
  Bottom Layer w0.508: C34.1@58.134,78.566 v1(58.134,81.026)
NetC36_1: C36.1 R72.1 R73.2 U5.6 | length 12.1
  Top Layer w0.254: R73.2@97.663,62.405 R73.2@97.711,62.405 ; R72.1@97.711,64.865 R73.2@97.711,62.405 ; U5.6@105.791,62.059 U5.6@105.791,62.072 105.791,63.119 105.6,63.309 100.918,63.309 C36.1@100.013,62.404 R73.2@97.711,62.405
NetC36_2: C36.2 R73.1 R74.2 U5.7 | length 9.6
  Top Layer w0.254: R74.2@97.663,58.341 R73.1@97.663,60.405 C36.2@100.013,60.404 102.866,60.404 U5.7@104.521,62.059
NetC37_1: C37.1 R74.1 R75.2 R80.2 | length 6.6
  Top Layer w0.254: R80.2@97.663,54.213 R74.1@97.663,56.341 ; R80.2@97.663,54.34 C37.1@100.013,54.34 ; C37.1@100.013,54.213 R75.2@100.013,56.34
NetC38_2: C38.2 R78.1 R79.1 U5.5 | length 8.8
  Top Layer w0.254: R78.1@100.012,64.579 105.664,64.579 107.061,63.182 U5.5@107.061,62.072 U5.5@107.061,62.059
NetC39_2: C39.2 R75.1 U5.9 | length 9.9
  Top Layer w0.254: R75.1@100.013,58.34 100.378,57.975 105.537,57.975 105.791,57.721 U5.9@105.791,56.572 105.791,55.42 C39.2@104.711,54.34
NetC40_1: C40.1 R85.1 R86.2 U6.2 | length 12
  Top Layer w0.254: U6.2@87.249,62.075 87.249,63.056 87.503,63.309 92.059,63.309 C40.1@92.964,62.404 R86.2@95.313,62.405 R85.1@95.313,64.596 R85.1@95.313,64.913
NetC40_2: C40.2 R86.1 R87.2 U6.1 | length 9.6
  Top Layer w0.254: U6.1@88.519,62.075 90.189,60.405 R86.1@95.313,60.405 R87.2@95.313,58.341
NetC41_1: C41.1 R87.1 R88.2 R93.2 | length 6.6
  Top Layer w0.254: C41.1@92.964,54.229 R88.2@92.964,56.34 ; C41.1@92.964,54.356 R93.2@95.314,54.356 ; R93.2@95.314,54.229 R87.1@95.313,56.341
NetC42_2: C42.2 R91.1 R92.1 U6.3 | length 8.6
  Top Layer w0.254: U6.3@85.979,62.075 85.979,62.992 87.566,64.579 R91.1@92.964,64.579
NetC43_2: C43.2 R88.1 U6.13 | length 9.8
  Top Layer w0.254: C43.2@88.265,54.34 87.249,55.356 U6.13@87.249,56.572 87.249,57.722 87.503,57.975 92.599,57.975 R88.1@92.964,58.34
NetC45_1: C45.1 R98.1 R99.2 U6.6 | length 12.1
  Top Layer w0.254: R98.1@74.041,64.913 R98.1@74.041,64.596 R99.2@74.041,62.405 C45.1@76.391,62.404 77.296,63.309 81.852,63.309 82.169,62.992 U6.6@82.169,62.075
NetC45_2: C45.2 R99.1 R100.2 U6.7 | length 9.6
  Top Layer w0.254: R100.2@74.041,58.341 R99.1@74.041,60.405 79.229,60.405 U6.7@80.899,62.075
NetC46_1: C46.1 R100.1 R101.2 R106.2 | length 6.6
  Top Layer w0.254: R106.2@74.041,54.213 R100.1@74.041,56.341 ; R106.2@74.041,54.34 C46.1@76.391,54.34 ; C46.1@76.391,54.213 R101.2@76.391,56.34
NetC47_2: C47.2 R104.1 R105.1 U6.5 | length 8.7
  Top Layer w0.254: R104.1@76.39,64.579 81.915,64.579 83.439,63.055 U6.5@83.439,62.075
NetC48_2: C48.2 R101.1 U6.9 | length 9.8
  Top Layer w0.254: R101.1@76.391,58.34 76.756,57.975 81.915,57.975 82.169,57.721 U6.9@82.169,56.572 82.169,55.499 81.09,54.419 C48.2@81.09,54.356
NetC54_1: C54.1 C55.1 C56.1 C57.1 C58.1 D2.1 D3.1 U11.7 U11.18 U11.45 U11.58 | length 52.2
  Top Layer w0.254: v1(33.846,64.706) 34.839,65.7 U11.7@37.092,65.7 39.283,65.7 ; U11.18@39.292,59.499 39.292,60.557 v1(39.874,61.14) 39.874,64.382 39.874,65.108 39.283,65.7 ; 39.942,64.382 40.704,64.382 v1@43.181,66.859 ; U11.58@41.792,70.4 41.792,69.143 v1(42.227,68.707) ; v1(42.989,66.865) 42.989,67.945 v1(42.227,68.707) ; v1(46.291,66.611) 46.42,66.611 47.008,67.199 U11.45@47.992,67.199 50.316,67.199 50.863,67.747 v1(50.863,70.311) ; 39.283,65.7 40.681,65.7 42.227,67.246 v1(42.227,68.707)
  Top Layer w0.508: D3.1@49.466,73.975 50.292,73.975 ; v1@50.887,70.334 50.292,70.929 50.292,73.975 ; D2.1@51.244,73.975 50.292,73.975
  Bottom Layer w0.254: C54.1@31.369,63.547 C55.1@33.401,63.547 33.846,63.992 v1@33.846,64.643 ; v1(39.874,61.14) 40.259,60.755 C56.1@40.259,59.88 ; C58.1@40.514,71.637 40.514,70.478 42.227,68.764 v1(42.227,68.707) ; v1(42.989,66.865) 45.968,66.865 46.222,66.611 v1(46.291,66.611)
  Bottom Layer w0.508: v1(50.863,70.311) C57.1@52.134,70.311
NetC59_1: C59.1 C61.2 C62.2 C63.2 C64.2 L3.1 U11.8 U11.12 U11.24 U11.54 | length 39.1
  Top Layer w0.254: U11.12@37.092,63.2 38.505,63.2 38.989,63.683 38.989,64.706 38.496,65.2 U11.8@37.092,65.2 ; U11.24@42.292,59.499 v1(42.292,61.08) 42.292,61.898 ; 43.728,66.097 43.181,66.097 v1(40.636,63.553) 42.292,61.898 ; L3.1@43.791,74.549 U11.54@43.791,70.4 43.791,68.707 43.791,66.097 43.791,63.398 42.292,61.898 ; L3.1@44.256,74.701 L3.1@44.478,74.923
  Bottom Layer w0.254: C62.2@35.497,63.548 C61.2@37.592,63.548 ; C61.2@37.64,63.5 37.692,63.553 v1(38.985,63.553) v1(40.636,63.553) ; v1@40.689,63.5 v1(40.636,63.553) ; C59.1@41.926,63.5 41.873,63.553 v1(40.636,63.553) ; C63.2@42.292,59.54 v1(42.292,61.08) ; C64.2@42.799,71.684 C64.2@42.799,71.637 42.799,69.278 43.37,68.707 v1(43.561,68.707)
NetC60_1: C60.1 C65.2 L3.2 U11.64 | length 9.7
  Top Layer w0.254: v1(37.401,70.612) U11.64@38.791,70.612 ; U11.64@38.791,70.4 U11.64@38.791,70.612 ; L3.2@39.978,74.923 38.791,73.736 U11.64@38.791,70.612
  Bottom Layer w0.254: C65.2@36.132,71.637 37.401,71.637 ; v1(37.401,70.612) 37.401,71.637 ; C60.1@38.355,71.637 37.401,71.637
NetC67_1: C67.1 U11.32 Y1.1 | length 6.2
  Top Layer w0.254: U11.32@46.291,59.499 48.331,57.46 Y1.1@49.129,57.46 C67.1@51.601,57.46
NetC68_1: C68.1 U11.31 Y1.2 | length 7.5
  Top Layer w0.254: U11.31@45.792,59.499 45.792,57.967 Y1.2@48.291,55.468 ; Y1.2@49.129,54.96 C68.1@51.602,54.96
NetC74_1: C74.1 R37.1 R38.2 R44.1 | length 9.6
  Top Layer w0.254: R38.2@46.8,23.765 R38.2@46.99,23.955 C74.1@49.593,23.956 49.593,21.892 R37.1@46.99,21.891 ; R37.1@46.99,21.812 R38.2@46.99,23.876
NetC79_1: C79.1 J13.1 R14.2 R110.2 U7.2 | length 17.6
  Top Layer w0.254: U7.2@114.296,71.691 U7.2@114.314,71.691 115.379,71.691 115.57,71.882 115.57,78.295 J13.1@116.776,79.502
  Bottom Layer w0.508: R110.2@115.3,81.661 J13.1@117.713,79.248 ; C79.1@115.76,77.581 115.761,78.486 J13.1@116.776,79.502 117.856,78.423 R14.2@117.856,77.581
NetC80_2: C80.2 J13.2 R103.1 R110.1 U7.3 | length 17
  Top Layer w0.254: J13.2@111.697,79.502 111.697,74.358 113.093,72.962 U7.3@114.296,72.962
  Bottom Layer w0.254: J13.2@111.697,79.502 J13.2@111.697,80.058
  Bottom Layer w0.508: C80.2@110.617,77.581 110.617,78.423 J13.2@111.697,79.502 112.712,78.486 R103.1@112.712,77.581 ; J13.2@110.887,79.248 111.697,80.058 R110.1@113.3,81.661
NetC81_1: C81.1 J13.3 R63.2 R111.2 U8.2 | length 17.6
  Top Layer w0.254: U8.2@104.136,71.691 105.219,71.691 105.537,72.009 105.537,78.422 J13.3@106.617,79.502
  Bottom Layer w0.508: R63.2@105.14,81.661 J13.3@107.553,79.248 ; C81.1@105.6,77.581 105.601,78.486 J13.3@106.617,79.502 107.696,78.423 R111.2@107.696,77.581